# Altium PCB ZYNQ_JTY_16CH.PcbDoc (part 3 of 4)
Units mil, origin at the board's own origin, x right, y up, seen from the top; angles counter-clockwise.
Board outline 6456.69 x 4901.57 mil, 4 copper layers (Top1, GND2, PWR3, Bottom4), stack 22.378 mil thick; 525 components, 438 nets, 2202 pads, 1379 vias.
Unrouted connection lines stored in the file: 13.
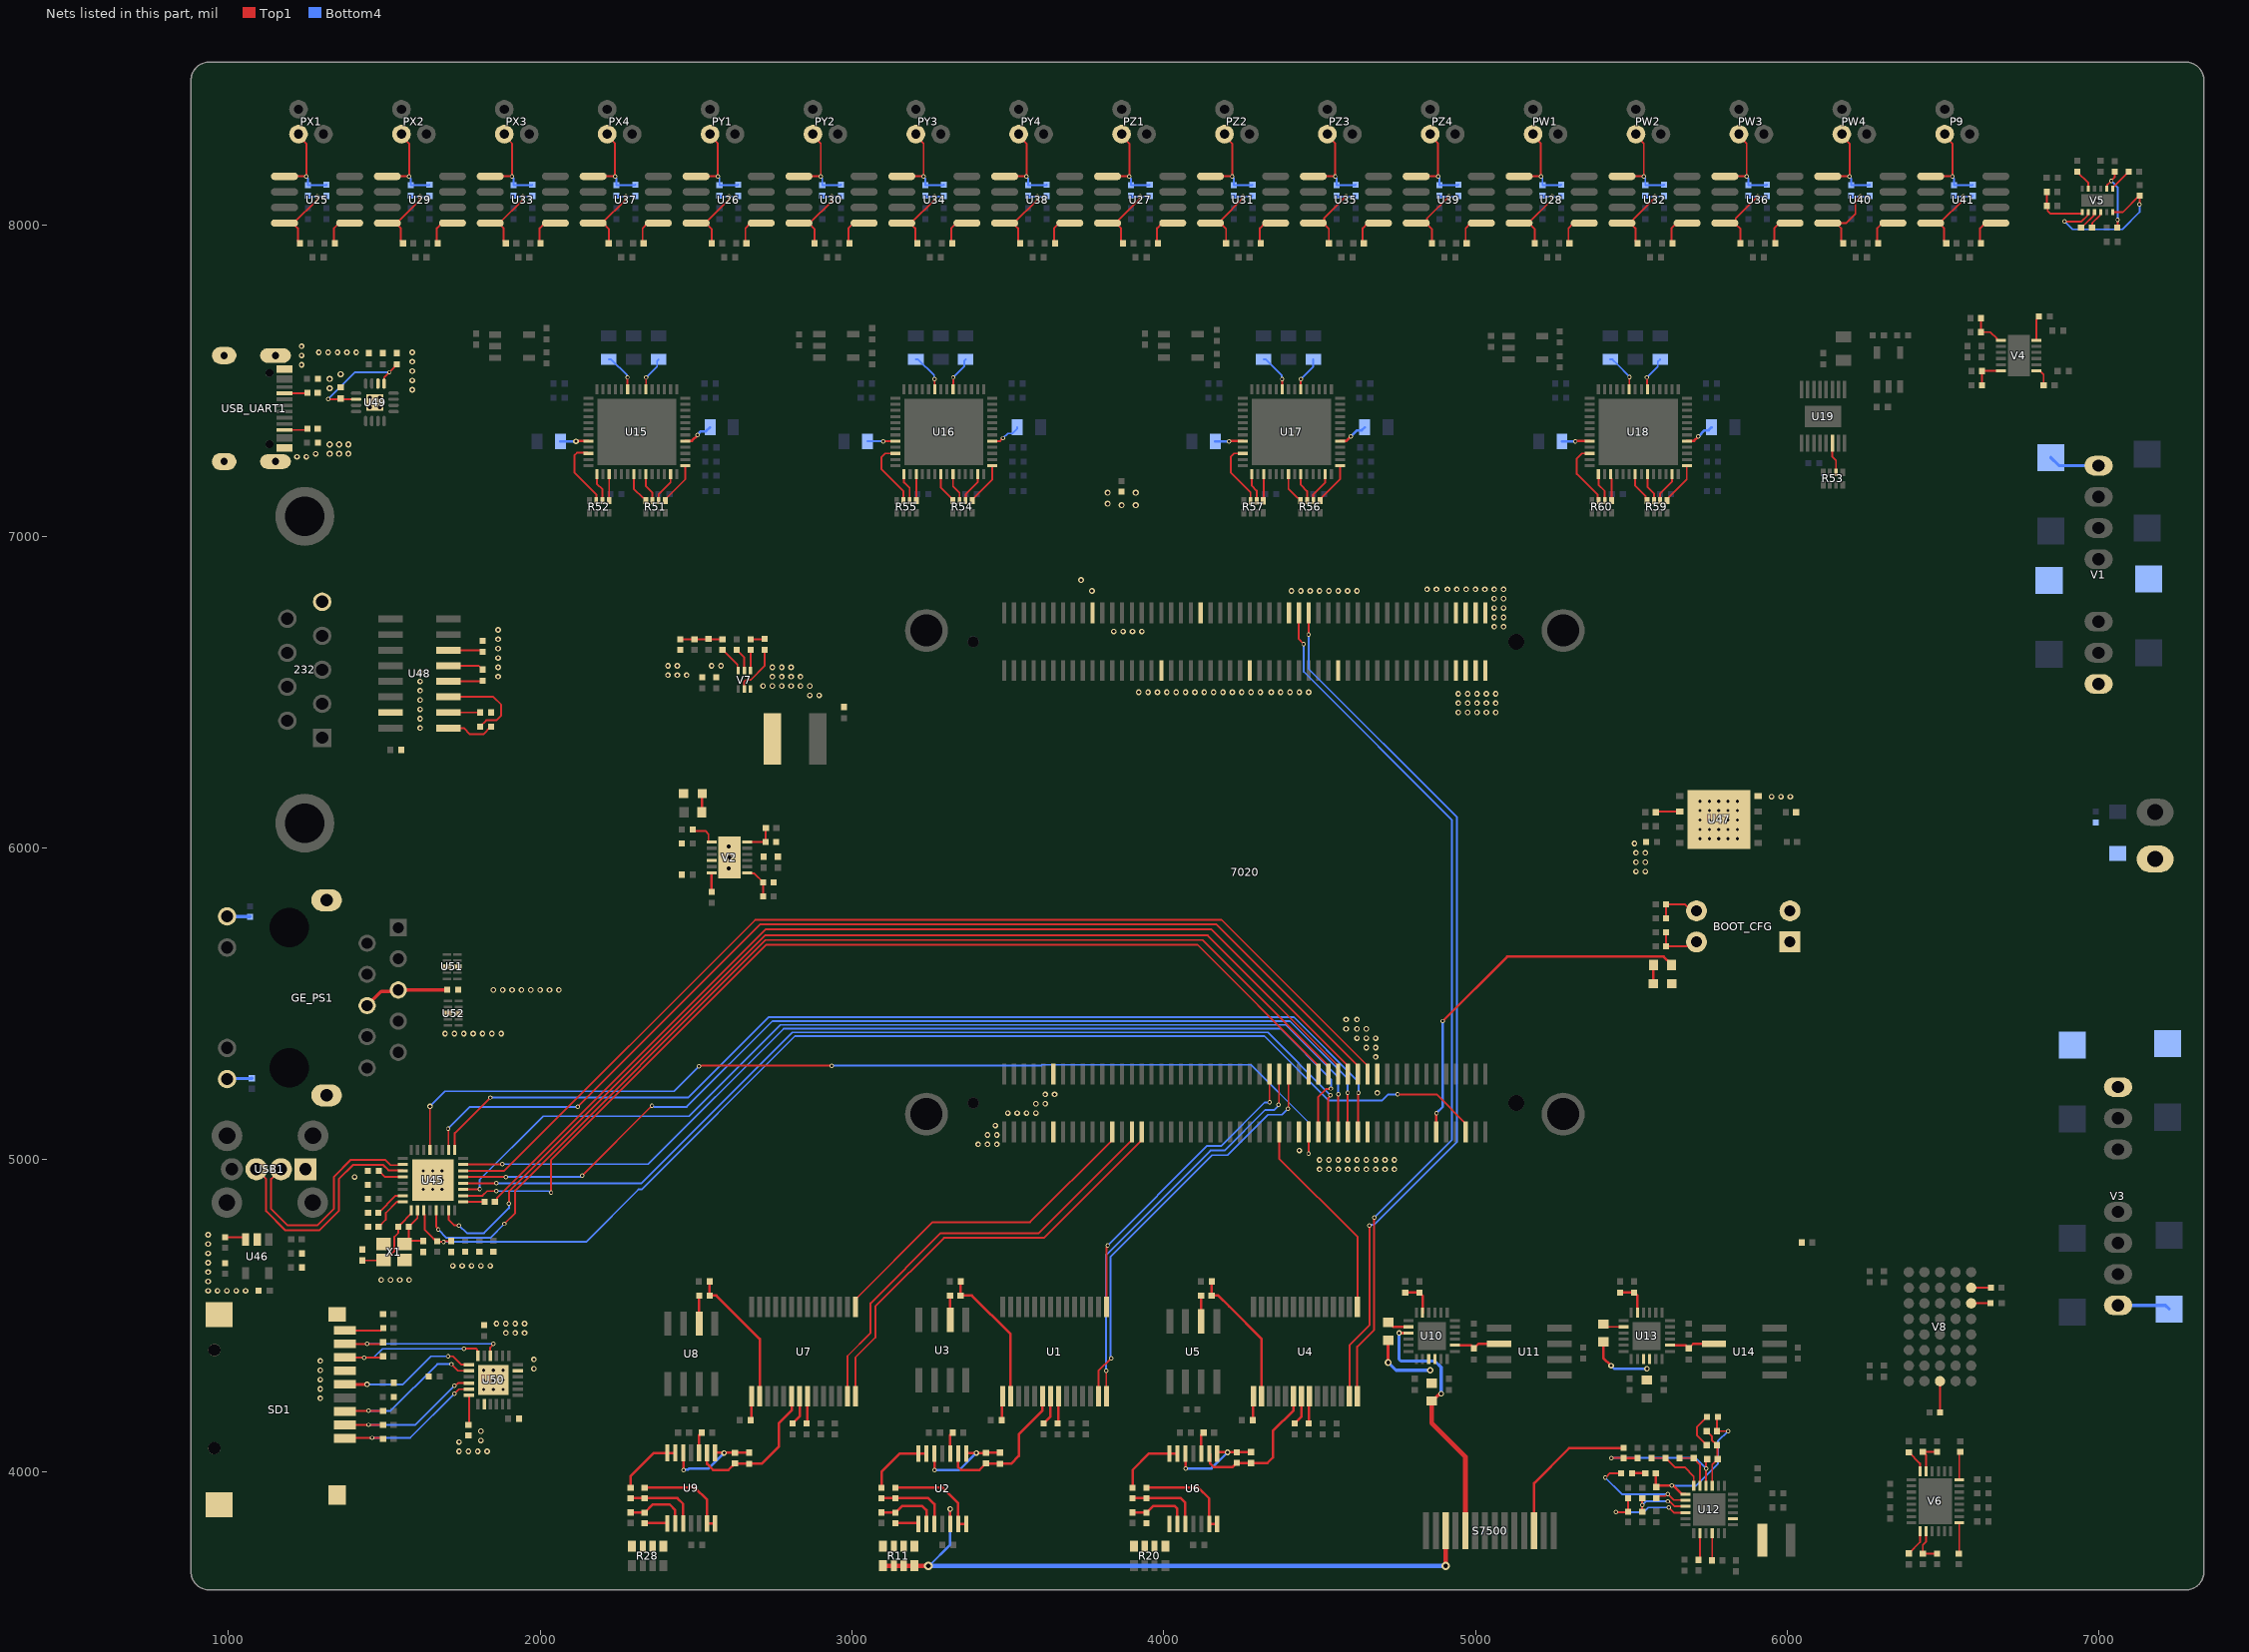
[diagram p5: the nets of this part, all layers, seen from the top]

## Via types
v1: diameter 18, hole 10, Top1 to Bottom4, tented both sides, 707 vias
v2: diameter 14, hole 8, Top1 to Bottom4, tented both sides, 314 vias
v3: diameter 22, hole 12, Top1 to Bottom4, tented both sides, 261 vias
v4: diameter 20, hole 11, Top1 to Bottom4, tented both sides, 40 vias
v5: diameter 26, hole 14, Top1 to Bottom4, tented both sides, 18 vias
v6: diameter 28, hole 15, Top1 to Bottom4, tented both sides, 14 vias
v7: diameter 24, hole 12, Top1 to Bottom4, tented both sides, 12 vias
v8: diameter 24, hole 10, Top1 to Bottom4, tented both sides, 9 vias
v9: diameter 20, hole 12, Top1 to Bottom4, tented both sides, 4 vias

## Nets (pads, with @x,y where several pads share a name; then routed paths per layer and width w, separated by ;. In a path a pad name is that pad's centre, name@x,y a point inside that pad or via, vN(x,y) a via of type N, cw(c..) or ccw(c..) an arc to the next point about the centre after c; other vN are vias at no path point) (continued)
DB13A: 7020.J2_55 U1.1 | length 999.5
  Top1 w6: U1.1@3816.4,4528 3816.4,4719.24 3820,4722.84 v2(3820,4725) ; 7020.J2_55@4338.98,5275 4339.49,5274.49 4339.49,5185.51 v2(4340,5185)
  Bottom4 w6: v2(3820,4725) 4140,5045 4185,5045 4324,5184 4339,5184 v2(4340,5185)
DB13B: 7020.J2_24 U7.1 | length 1086
  Top1 w6: U7.1@3011.4,4528 3011.4,4552 3259.4,4800 3571.65,4800 3835.04,5063.39 7020.J2_24@3835.04,5089.96
DB13C: 7020.J2_58 U4.1 | length 665.9
  Top1 w6: 7020.J2_58@4370.48,5089.96 4370.48,5004.52 4621.4,4753.6 U4.1@4621.4,4528
DB14A: 7020.J2_57 U1.28 | length 1307.4
  Top1 w6: v2(3815.29,4323.47) 3815.85,4322.91 3815.85,4242.55 U1.28@3816.4,4242 ; v2(4368.69,5176.31) 4369.58,5177.21 4369.58,5274.1 7020.J2_57@4370.48,5275
  Bottom4 w6: v2(3815.29,4323.47) 3815.29,4695.29 4150,5030 4195,5030 4325,5160 4355,5160 4359.24,5164.24 4359.24,5164.71 4368.69,5174.15 v2(4368.69,5176.31)
DB14B: 7020.J2_30 U7.28 | length 1416.4
  Top1 w6: U7.28@3011.4,4242 3011.4,4366.4 3075,4430 3075,4530 3295,4750 3616.15,4750 3929.53,5063.39 7020.J2_30@3929.53,5089.96
DB14C: 7020.J1_61 U4.28 | length 2842.6
  Top1 w6: 7020.J1_61@4433.47,6754.69 4433.47,6670.53 v2(4449,6655) ; U4.28@4621.4,4242 4620.7,4242.7 4620.7,4400.7 4675,4455 v2(4675,4815)
  Bottom4 w6: v2(4449,6655) 4449,6566 4925,6090 4925,5065 v2(4675,4815)
DB15A: 7020.J2_59 U1.27 | length 1342.8
  Top1 w6: U1.27@3790.8,4242 3790.8,4323.3 v2(3831.29,4363.79) ; v2(4398.69,5163.69) 4400,5165 4400,5273.03 7020.J2_59@4401.97,5275
  Bottom4 w6: v2(3831.29,4363.79) 3830.05,4365.02 3830.05,4690.05 4155,5015 4205,5015 4335,5145 4380,5145 v2(4398.69,5163.69)
DB15B: 7020.J2_28 U7.27 | length 1410.1
  Top1 w6: U7.27@2985.8,4242 2985.8,4370.8 3060,4445 3060,4540 3285,4765 3599.65,4765 3898.03,5063.39 7020.J2_28@3898.03,5089.96
DB15C: 7020.J1_63 U4.27 | length 2860.8
  Top1 w6: v2(4465,6685) 7020.J1_63@4464.96,6754.69 ; U4.27@4595.8,4242 4595.8,4405.8 4660,4470 4660,4789 v2(4659,4790)
  Bottom4 w6: v2(4465,6685) 4465,6575 4940,6100 4940,5057.37 4674.16,4791.53 4660.53,4791.53 v2(4659,4790)
FB-: R41.1 S7500.3 | length 486.7
  Top1 w8: S7500.3@5187.99,3810 5187.99,3962.99 5300,4075 R41.1@5475.27,4075
GAIN: R33.2 S7500.10 U10.3 | length 846.2
  Top1 w10: v1(4755,4445) 4755.16,4444.84 U10.3@4785.5,4444.84 ; R33.2@4860,4226.46 4861.97,4226.46 4883.98,4248.47 4888.47,4248.47 v1(4890,4250)
  Top1 w15: R33.2@4860,4226.46 4860,4155 4967.52,4047.48 S7500.10@4967.52,3810
  Bottom4 w10: v1(4755,4445) 4755,4360.86 4760.86,4355 4870,4355 4890,4335 v1(4890,4250)
GND: 232.5 7020.J1_19 7020.J1_34 7020.J1_41 7020.J1_52 7020.J1_59 7020.J1_70 7020.J1_93 7020.J1_94 7020.J1_95 7020.J1_96 7020.J1_97 7020.J1_98 7020.J1_99 7020.J1_100 7020.J2_11 7020.J2_12 7020.J2_62 7020.J2_63 7020.J2_76 7020.J2_77 BOOT_CFG.1 BOOT_CFG.2 C198.2 C199.2 C202.2 C203.2 C217.1 C219.1 C220.1 C231.1 C232.1 C233.1 C234.1 C235.1 C236.1 C237.1 C238.1 C239.1 C240.1 C241.1 C242.1 C243.2 C244.2 C246.2 C248.2 C249.1 C250.2 C251.1 C252.1 C253.2 C254.2 C255.2 C256.2 C257.2 C258.2 C259.2 C260.2 C261.1 DC_IN.2 E3.2 E4.2 E7.2 E8.2 E10.2 GE_PS1.15 GE_PS1.16 LED1.2 LED2.2 R14.2 R58.2 R114.1 R115.1 R130.1 R139.2 R143.1 R146.2 R149.2 R156.2 R157.1 R159.1 R160.2 SD1.0 SD1.6 U45.33 U46.2 U47.4 U47.9 U48.15 U49.0 U49.2 U50.2 U50.11 U50.25 U51.3 U51.8 U52.3 U52.8 USB1.1 USB_UART1.1 USB_UART1.12 USB_UART1.SH1 USB_UART1.SH2 USB_UART1.SH3 USB_UART1.SH4 V1.1 V2.4 V2.13 V3.1 V7.3 X1.2 X1.4
  other v1: 1740,4065 1770,4065 1800,4065 1830,4065 1740,4095 1810,4100 1810,4130 1295,4235 1295,4265 1295,4295 1295,4325 1980,4330 1295,4355 1980,4360 1890,4445 1920,4445 1950,4445 1860,4475 1890,4475 1920,4475 1950,4475 935,4580 965,4580 995,4580 1025,4580 1055,4580 935,4610 1490,4615 1520,4615 1550,4615 1580,4615 935,4640 1720,4660 1750,4660 1780,4660 1810,4660 1840,4660 935,4670 935,4700 935,4730 935,4760 1405,4945 4500,4970 4530,4970 4560,4970 4590,4970 4620,4970 4650,4970 4680,4970 4710,4970 4740,4970 4500,5000 4530,5000 4560,5000 4590,5000 4620,5000 4650,5000 4680,5000 4710,5000 4740,5000 4435,5030 3405,5050 3435,5050 3465,5050 3435,5080 3465,5080 3460,5110 3500,5150 3530,5150 3560,5150 3590,5150 3590,5180 3620,5180 3620,5210 3650,5210 4685,5215 4680,5330 4650,5360 4680,5360 4620,5390 4650,5390 4680,5390 1695,5405 1725,5405 1755,5405 1785,5405 1815,5405 1845,5405 1875,5405 4585,5420 4620,5420 4650,5420 4585,5450 4620,5450 1850,5545 1880,5545 1910,5545 1940,5545 1970,5545 2000,5545 2030,5545 2060,5545 5515,5925 5545,5925 5515,5955 5545,5955 5515,5985 5545,5985 5510,6015 5720,6030 5750,6030 5780,6030 5810,6030 5840,6030 5720,6060 5750,6060 5780,6060 5810,6060 5840,6060 5720,6090 5750,6090 5810,6090 5840,6090 5781,6092 5720,6120 5750,6120 5780,6120 5810,6120 5840,6120 5720,6150 5750,6150 5780,6150 5810,6150 5840,6150 5950,6165 5980,6165 6010,6165 1615,6385 1615,6415 4945,6435 4975,6435 5005,6435 5035,6435 5065,6435 1615,6445 4945,6465 4975,6465 5005,6465 5035,6465 5065,6465 1615,6475 2865,6490 2895,6490 4945,6495 4975,6495 5005,6495 5035,6495 5065,6495 3920,6500 3950,6500 3980,6500 4010,6500 4040,6500 4070,6500 4100,6500 4130,6500 4160,6500 4190,6500 4220,6500 4250,6500 4280,6500 4310,6500 4345,6500 4375,6500 4405,6500 4435,6500 4465,6500 1615,6505 2715,6520 2745,6520 2775,6520 2805,6520 2835,6520 2865,6520 1615,6535 1865,6550 2745,6550 2775,6550 2805,6550 2835,6550 2410,6555 2440,6555 2470,6555 1615,6565 1865,6580 2745,6580 2775,6580 2805,6580 2410,6585 2440,6585 2550,6585 2580,6585 1865,6610 1865,6640 1865,6670 3840,6695 3870,6695 3900,6695 3930,6695 1865,6700 5060,6710 5090,6710 5060,6740 5090,6740 5060,6770 5090,6770 5060,6800 5090,6800 4410,6825 4440,6825 4470,6825 4500,6825 4530,6825 4560,6825 4590,6825 4620,6825 4845,6830 4875,6830 4910,6830 4940,6830 4970,6830 5000,6830 5030,6830 5060,6830 5090,6830 1220,7255 1250,7255 1280,7265 1590,7470 1590,7500 1590,7530 1235,7550 1590,7560 1235,7580 1290,7590 1320,7590 1350,7590 1380,7590 1410,7590 1590,7590 1235,7610
  other v4: 3770,6825 3735,6860 3865,7100 3910,7100 3820,7105 3820,7140 3910,7140 1325,7265 1355,7265 1385,7265 1325,7295 1355,7295 1385,7295 1325,7475 1325,7505 1360,7520
  other v7: 2605,5935 2607.28,5970 2605,6005
  other v8: 1625,4905 1655,4905 1685,4905 1625,4935 1656.5,4935 1685,4935 1625,4965 1655,4965 1685,4965
  other v9: 1453.89,7414.19 1485.79,7414.19 1453.89,7445.63 1485.79,7445.63
LED: 7020.J2_90 R5.1 | length 1194.9
  Top1 w8: 7020.J2_90@4874.49,5089.96 4874.75,5090.21 4874.75,5149.75 v2(4875,5150) ; v2(4895,5445) 5101.73,5651.73 5603.78,5651.73 5628.54,5626.97 R5.1@5628.54,5625
  Bottom4 w8: v2(4875,5150) 4895,5170 v2(4895,5445)
LEFT: R11.1 R11.2 R11.3 R11.4 S7500.12 U2.12 | length 2176.9
  Top1 w8: v1(3315,3880) 3315.3,3879.7 3315.3,3832 U2.12@3315.59,3831.7
  Top1 w15: R11.1@3099.61,3698.5 3100.11,3698 3244.5,3698 v6(3245,3697.5) ; v6@4904.54,3697.51 S7500.12@4904.53,3810
  Bottom4 w8: v6(3245,3697.5) 3247.5,3697.5 3315,3765 v1(3315,3880)
  Bottom4 w15: v6@3247.5,3697.5 v6(4904.56,3697.5)
NetC1_1: C1.1 U1.15 | length 78.3
  Top1 w8: C1.1@3480.43,4165 3482.02,4166.58 3482.02,4240.42 U1.15@3483.6,4242
NetC2_1: C2.1 R7.1 U1.20 U2.2 | length 486.2
  Top1 w8: U2.2@3341.18,4058.3 3340,4057.12 3340,4015 3350,4005 3408.46,4005 R7.1@3430,4026.54 3430.56,4025.98 3474.44,4025.98 C2.1@3475,4025.42 3510.42,4025.42 3535,4050 3535,4120 3611.6,4196.6 U1.20@3611.6,4242
NetC2_2: C2.2 R7.2 U2.1 U2.5 | length 319.8
  Top1 w8: U2.5@3264.41,4058.3 3264.7,4058 3264.7,4005.3 v2(3265,4005) ; U2.1@3366.77,4058.3 3368.47,4060 v1(3399.24,4060) R7.2@3430,4060 3430.43,4060.43 3474.57,4060.43 C2.2@3475,4060.86
  Bottom4 w8: v2(3265,4005) 3344.24,4005 v1(3399.24,4060)
NetC3_1: C3.1 U1.21 | length 96.2
  Top1 w8: C3.1@3615,4155 3637.2,4177.2 U1.21@3637.2,4242
NetC4_1: C4.1 U1.22 | length 88.2
  Top1 w8: C4.1@3660,4155 3661.4,4156.4 3661.4,4240.6 U1.22@3662.8,4242
NetC8_2: C8.2 R8.2 U1.16 | length 456.3
  Top1 w8: C8.2@3349.32,4610 3348.89,4609.57 3348.89,4565.43 R8.2@3348.46,4565 3385,4565 3509.2,4440.8 U1.16@3509.2,4242
NetC11_1: C11.1 U4.15 | length 78.3
  Top1 w8: C11.1@4285.43,4165 4287.02,4166.58 4287.02,4240.42 U4.15@4288.6,4242
NetC12_1: C12.1 U4.21 | length 96.2
  Top1 w8: C12.1@4420,4155 4442.2,4177.2 U4.21@4442.2,4242
NetC13_1: C13.1 R16.1 U4.20 U6.2 | length 477
  Top1 w8: U6.2@4146.18,4058.3 4149.09,4055.39 4149.09,4025.91 4160,4015 4221.61,4015 R16.1@4235,4028.39 4235.56,4027.84 4279.44,4027.84 C13.1@4280,4027.28 4332.28,4027.28 4350,4045 4350,4130 4416.6,4196.6 U4.20@4416.6,4242
NetC13_2: C13.2 R16.2 U6.1 U6.5 | length 315.3
  Top1 w8: U6.5@4069.41,4058.3 4069.7,4058 4069.7,4010.3 v2(4070,4010) ; U6.1@4171.77,4058.3 4171.77,4058.95 4174.68,4061.86 v1(4204.84,4061.86) R16.2@4235,4061.86 4235.43,4062.29 4279.57,4062.29 C13.2@4280,4062.72
  Bottom4 w8: v2(4070,4010) 4152.98,4010 v1(4204.84,4061.86)
NetC14_1: C14.1 U4.22 | length 88.2
  Top1 w8: C14.1@4465,4155 4466.4,4156.4 4466.4,4240.6 U4.22@4467.8,4242
NetC18_2: C18.2 R17.2 U4.16 | length 447.5
  Top1 w8: C18.2@4154.32,4610 4153.89,4609.57 4153.89,4565.43 R17.2@4153.46,4565 4175,4565 4210,4530 4314.2,4425.8 U4.16@4314.2,4242
NetC21_1: C21.1 U7.15 | length 78.3
  Top1 w8: C21.1@2675.43,4165 2677.02,4166.58 2677.02,4240.42 U7.15@2678.6,4242
NetC22_1: C22.1 U7.21 | length 96.2
  Top1 w8: C22.1@2810,4155 2832.2,4177.2 U7.21@2832.2,4242
NetC23_1: C23.1 U7.22 | length 88.2
  Top1 w8: C23.1@2855,4155 2856.4,4156.4 2856.4,4240.6 U7.22@2857.8,4242
NetC24_1: C24.1 R24.1 U7.20 U9.2 | length 484.2
  Top1 w8: U9.2@2535.59,4060 2535.59,4024.41 2555,4005 2603.46,4005 R24.1@2625,4026.54 2625.49,4026.04 2669.51,4026.04 C24.1@2670,4025.55 2710.55,4025.55 2765,4080 2765,4155 2806.6,4196.6 U7.20@2806.6,4242
NetC24_2: C24.2 R24.2 U9.1 U9.5 | length 317.5
  Top1 w8: U9.5@2458.82,4060 2459.41,4059.41 2459.41,4005.59 v2(2460,4005) ; U9.1@2561.18,4060 2562.16,4060.98 C24.2@2670,4060.98
  Bottom4 w8: v2(2460,4005) 2461.15,4006.15 2474.28,4006.15 2477.13,4009 2539,4009 v1(2590,4060)
NetC28_2: C28.2 R25.2 U7.16 | length 447.5
  Top1 w8: C28.2@2544.32,4610 2543.89,4609.57 2543.89,4565.43 R25.2@2543.46,4565 2565,4565 2704.2,4425.8 U7.16@2704.2,4242
NetC31_1: C31.1 L1.2 U10.23 | length 114.4
  Top1 w8: C31.1@4775,4574.57 L1.2@4820,4574.57 4830.47,4564.09 U10.23@4830.47,4509.5
NetC32_1: C32.1 C33.2 R37.2 R38.1 U12.1 | length 527.6
  Top1 w6: C33.2@5777.72,4175 5775,4172.28 R38.1@5775,4130 v2(5810,4130)
  Top1 w8: R37.2@5578.46,3995 5579.23,3994.23 5579.23,3951.2 C32.1@5580,3950.43 5584.57,3955 v2(5630,3955) 5634.74,3955 5662.03,3927.71 U12.1@5673.03,3927.71
  Bottom4 w6: v2(5630,3955) 5707.63,3955 5777.55,4024.92 5777.55,4097.55 v2(5810,4130)
NetC32_2: C32.2 C37.2 U12.2 | length 391.2
  Top1 w6: v2(5415.99,3981.29) 5418.15,3981.29 5431.87,3995 C37.2@5471.54,3995 ; C32.2@5580,3915 5586.84,3921.84 5609.4,3921.84 5615.19,3927.64 v2(5617.36,3927.64) 5636.23,3908.77 5672.29,3908.77 U12.2@5673.03,3908.03
  Bottom4 w6: v2(5415.99,3981.29) 5469.63,3927.64 v2(5617.36,3927.64)
NetC33_1: C33.1 R35.1 | length 116.4
  Top1 w6: R35.1@5741.54,4085 5710,4116.54 5710,4142.72 C33.1@5742.28,4175
NetC37_1: C37.1 R37.1 | length 42.3
  Top1 w8: C37.1@5502.72,3995 R37.1@5545,3995
NetC39_2: C39.2 U10.14 U11.6 | length 151.7
  Top1 w8: U10.14@4934.5,4405.47 4984.96,4405.47 C39.2@4995,4395.43 5009.57,4410 U11.6@5076,4410
NetC42_1: C42.1 L2.2 U13.23 | length 114.4
  Top1 w8: C42.1@5464,4574.57 L2.2@5509,4574.57 5519.47,4564.09 U13.23@5519.47,4509.5
NetC50_2: C50.2 U13.14 U14.6 | length 151.7
  Top1 w8: U13.14@5623.5,4405.47 5673.96,4405.47 C50.2@5684,4395.43 5698.57,4410 U14.6@5765,4410
NetC52_1: C52.1 U15.22 | length 89.7
  Top1 w8: v1(2115,7305) 2115.24,7305.24 2154.26,7305.24 U15.22@2154.5,7305.47
  Bottom4 w8: C52.1@2065,7305 v1(2115,7305)
NetC53_1: C53.1 U15.9 | length 126
  Top1 w6: v2(2280,7510) 2280.24,7509.76 2280.24,7471.24 U15.9@2280.47,7471
  Bottom4 w6: C53.1@2220,7567.6 2227.5,7567.6 2278.47,7516.62 2278.47,7511.53 v2(2280,7510)
NetC54_1: C54.1 U15.6 | length 113.4
  Top1 w6: U15.6@2339.53,7471 2339.76,7471.24 2339.76,7509.76 v2(2340,7510)
  Bottom4 w6: v2(2340,7510) 2375,7545 2375,7562.6 C54.1@2380,7567.6
NetC55_1: C55.1 U15.45 | length 98.9
  Top1 w8: U15.45@2465.5,7305.47 2466.5,7306.47 2486.47,7306.47 v2(2505,7325)
  Bottom4 w8: v2(2505,7325) 2505,7326.62 2515,7336.62 2531.62,7336.62 C55.1@2545,7350
NetC60_1: C60.1 U16.22 | length 89.7
  Top1 w6: v2(3100,7305) 3100.24,7305.24 3139.26,7305.24 U16.22@3139.5,7305.47
  Bottom4 w6: C60.1@3050,7305 v2(3100,7305)
NetC61_1: C61.1 U16.9 | length 126
  Top1 w6: v2(3265,7505) 3265.24,7504.76 3265.24,7471.24 U16.9@3265.47,7471
  Bottom4 w6: C61.1@3205,7567.6 3212.5,7567.6 3263.47,7516.62 3263.47,7506.53 v2(3265,7505)
NetC62_1: C62.1 U16.6 | length 113.4
  Top1 w6: U16.6@3324.53,7471 3324.76,7471.24 3324.76,7509.76 v2(3325,7510)
  Bottom4 w6: v2(3325,7510) 3360,7545 3360,7562.6 C62.1@3365,7567.6
NetC63_1: C63.1 U16.45 | length 101.2
  Top1 w6: U16.45@3450.5,7305.47 3475.47,7305.47 v2(3485,7315)
  Bottom4 w6: v2(3485,7315) 3500,7330 3515.5,7330 3530,7344.5 C63.1@3530,7350
NetC89_1: C89.1 U17.22 | length 89.7
  Top1 w8: v2(4210,7305) 4210.24,7305.24 4254.26,7305.24 U17.22@4254.5,7305.47
  Bottom4 w8: C89.1@4165,7305 v2(4210,7305)
NetC90_1: C90.1 U17.9 | length 126
  Top1 w6: v2(4380,7505) 4380.24,7504.76 4380.24,7471.24 U17.9@4380.47,7471
  Bottom4 w6: C90.1@4320,7567.6 4327.5,7567.6 4378.47,7516.62 4378.47,7506.53 v2(4380,7505)
NetC91_1: C91.1 U17.6 | length 113.4
  Top1 w6: U17.6@4439.53,7471 4439.76,7471.24 4439.76,7504.76 v2(4440,7505)
  Bottom4 w6: v2(4440,7505) 4479.61,7544.61 4479.61,7567.21 C91.1@4480,7567.6
NetC92_1: C92.1 U17.45 | length 97.9
  Top1 w8: U17.45@4565.5,7305.47 4566.5,7306.47 4586.47,7306.47 v2(4600,7320)
  Bottom4 w8: v2(4600,7320) 4620,7340 4635,7340 C92.1@4645,7350
NetC123_1: C123.1 U18.22 | length 89.7
  Top1 w8: v2(5320,7305) 5320.23,7305.23 5366.67,7305.23 U18.22@5366.9,7305.47
  Bottom4 w8: C123.1@5277.4,7305 v2(5320,7305)
NetC124_1: C124.1 U18.9 | length 127.2
  Top1 w6: U18.9@5492.88,7471 5493.56,7471.68 5493.56,7510.09 v2(5494.23,7510.77)
  Bottom4 w6: C124.1@5432.4,7567.59 5439.9,7567.59 5454.4,7553.09 5492.7,7514.79 5492.7,7512.3 v2(5494.23,7510.77)
NetC127_1: C127.1 U18.6 | length 115
  Top1 w6: v2(5550,7510) 5550.97,7509.03 5550.97,7471.96 U18.6@5551.93,7471
  Bottom4 w6: v2(5550,7510) 5585,7545 5585,7560.19 C127.1@5592.4,7567.59
NetC128_1: C128.1 U18.45 | length 97.9
  Top1 w8: U18.45@5677.9,7305.47 5678.9,7306.47 5701.47,7306.47 v2(5715,7320)
  Bottom4 w8: v2(5715,7320) 5735,7340 5747.41,7340 C128.1@5757.4,7350
NetC130_1: C130.1 PX1.2 R61.1 U25.1 | length 306.1
  Top1 w6: U25.1@1180,8155 v2(1250,8155) 1250,8259.85 1225,8284.85 PX1.2@1225,8290
  Bottom4 w6: v2(1250,8155) 1250,8152.84 1255,8147.84 R61.1@1255,8126.73 1314.02,8126.73 C130.1@1315,8127.72
NetC130_2: C130.2 R61.2 R65.1 U25.4 | length 283
  Top1 w6: U25.4@1180,8005 U25.4@1206.73,8005 ; R65.1@1230,7940 1223.16,7946.84 1223.16,7988.57 U25.4@1206.73,8005 ; v2(1285,8090) 1284.69,8089.69 1284.69,8079.69 1210,8005 U25.4@1206.73,8005
  Bottom4 w6: R61.2@1255,8093.27 1258.27,8090 v2(1285,8090) 1312.72,8090 C130.2@1315,8092.28
NetC131_1: C131.1 PY1.2 R62.1 U26.1 | length 306.1
  Top1 w6: U26.1@2500,8155 v2(2570,8155) 2570,8259.85 2545,8284.85 PY1.2@2545,8290
  Bottom4 w6: v2(2570,8155) 2570,8152.84 2575,8147.84 R62.1@2575,8126.73 2634.01,8126.73 C131.1@2635,8127.72
NetC131_2: C131.2 R62.2 R66.1 U26.4 | length 252.5
  Top1 w6: R66.1@2550,7940 2550,7986.5 2531.5,8005 2530,8005 2604.69,8079.69 2604.69,8089.69 v2(2605,8090)
  Bottom4 w6: R62.2@2575,8093.27 2578.27,8090 v2(2605,8090) 2632.72,8090 C131.2@2635,8092.28
NetC132_1: C132.1 PZ1.2 R63.1 U27.1 | length 306.1
  Top1 w6: U27.1@3820,8155 v2(3890,8155) 3890,8259.85 3865,8284.85 PZ1.2@3865,8290
  Bottom4 w6: v2(3890,8155) 3890,8152.84 3895,8147.84 R63.1@3895,8126.73 3954.01,8126.73 C132.1@3955,8127.72
NetC132_2: C132.2 R63.2 R67.1 U27.4 | length 281.1
  Top1 w6: U27.4@3820,8005 U27.4@3846.73,8005 ; R67.1@3870,7940 3863.16,7946.84 3863.16,7988.57 U27.4@3846.73,8005 ; v2(3925,8090) 3923.47,8088.47 3923.47,8081.74 U27.4@3846.73,8005
  Bottom4 w6: R63.2@3895,8093.27 3898.27,8090 v2(3925,8090) 3952.72,8090 C132.2@3955,8092.28
NetC133_1: C133.1 PW1.2 R64.1 U28.1 | length 306.1
  Top1 w6: U28.1@5140,8155 v2(5210,8155) 5210,8259.85 5185,8284.85 PW1.2@5185,8290
  Bottom4 w6: v2(5210,8155) 5210,8152.84 5215,8147.84 R64.1@5215,8126.73 5274.02,8126.73 C133.1@5275,8127.72
NetC133_2: C133.2 R64.2 R68.1 U28.4 | length 312.5
  Top1 w6: R68.1@5190,7940 5190,7986.5 5171.5,8005 U28.4@5140,8005 5170,8005 5244.69,8079.69 5244.69,8089.69 v2(5245,8090)
  Bottom4 w6: R64.2@5215,8093.27 5218.27,8090 v2(5245,8090) 5272.72,8090 C133.2@5275,8092.28
NetC146_1: C146.1 PX2.2 R73.1 U29.1 | length 306.1
  Top1 w6: U29.1@1510,8155 v2(1580,8155) 1580,8259.85 1555,8284.85 PX2.2@1555,8290
  Bottom4 w6: v2(1580,8155) 1580,8152.84 1585,8147.84 R73.1@1585,8126.73 1644.02,8126.73 C146.1@1645,8127.72
NetC146_2: C146.2 R73.2 R77.1 U29.4 | length 283.9
  Top1 w6: U29.4@1510,8005 U29.4@1536.73,8005 ; R77.1@1560,7940 1553.16,7946.84 1553.16,7988.57 U29.4@1536.73,8005 ; v2(1615,8090) 1613.47,8088.47 1613.47,8076.97 1541.5,8005 U29.4@1536.73,8005
  Bottom4 w6: R73.2@1585,8093.27 1588.27,8090 v2(1615,8090) 1642.72,8090 C146.2@1645,8092.28
NetC147_1: C147.1 PY2.2 R74.1 U30.1 | length 306.1
  Top1 w6: U30.1@2830,8155 v2(2900,8155) 2900,8259.85 2875,8284.85 PY2.2@2875,8290
  Bottom4 w6: v2(2900,8155) 2900,8152.84 2905,8147.84 R74.1@2905,8126.73 2964.01,8126.73 C147.1@2965,8127.72
NetC147_2: C147.2 R74.2 R78.1 U30.4 | length 259
  Top1 w6: U30.4@2855,8005 U30.4@2861.5,8005 ; R78.1@2880,7940 2880,7986.5 U30.4@2861.5,8005 ; v2(2935,8090) 2935,8075 2865,8005 U30.4@2861.5,8005
  Bottom4 w6: R74.2@2905,8093.27 2908.27,8090 v2(2935,8090) 2962.72,8090 C147.2@2965,8092.28
NetC148_1: C148.1 PZ2.2 R75.1 U31.1 | length 306.1
  Top1 w6: U31.1@4150,8155 v2(4220,8155) 4220,8259.85 4195,8284.85 PZ2.2@4195,8290
  Bottom4 w6: v2(4220,8155) 4220,8152.84 4225,8147.84 R75.1@4225,8126.73 4284.02,8126.73 C148.1@4285,8127.72
NetC148_2: C148.2 R75.2 R79.1 U31.4 | length 277.7
  Top1 w6: U31.4@4150,8005 4176.73,8005 4186.96,8015.24 4186.96,8016.96 4253.47,8083.47 4253.47,8088.47 v2(4255,8090) ; U31.4@4185,8005 4185,8001.5 4200,7986.5 R79.1@4200,7940
  Bottom4 w6: R75.2@4225,8093.27 4228.27,8090 v2(4255,8090) 4282.72,8090 C148.2@4285,8092.28
NetC149_1: C149.1 PW2.2 R76.1 U32.1 | length 306.1
  Top1 w6: U32.1@5470,8155 v2(5540,8155) 5540,8259.85 5515,8284.85 PW2.2@5515,8290
  Bottom4 w6: v2(5540,8155) 5540,8152.84 5545,8147.84 R76.1@5545,8126.73 5604.02,8126.73 C149.1@5605,8127.72
NetC149_2: C149.2 R76.2 R80.1 U32.4 | length 308.8
  Top1 w6: U32.4@5498.36,8003.36 5513.16,7988.57 5513.16,7946.84 R80.1@5520,7940 ; U32.4@5500,8005 U32.4@5496.73,8005 ; v2(5575,8090) 5573.47,8088.47 5573.47,8083.47 5506.96,8016.96 5506.96,8015.24 U32.4@5496.73,8005 ; U32.4@5496.73,8005 U32.4@5470,8005 U32.4@5496.73,8005
  Bottom4 w6: R76.2@5545,8093.27 5548.27,8090 v2(5575,8090) 5602.72,8090 C149.2@5605,8092.28
NetC162_1: C162.1 PX3.2 R85.1 U33.1 | length 306.1
  Top1 w6: U33.1@1840,8155 v2(1910,8155) 1910,8259.85 1885,8284.85 PX3.2@1885,8290
  Bottom4 w6: v2(1910,8155) 1910,8152.84 1915,8147.84 R85.1@1915,8126.73 1974.02,8126.73 C162.1@1975,8127.72
NetC162_2: C162.2 R85.2 R89.1 U33.4 | length 283
  Top1 w6: U33.4@1840,8005 U33.4@1866.73,8005 ; R89.1@1890,7940 1883.16,7946.84 1883.16,7988.57 U33.4@1866.73,8005 ; v2(1945,8090) 1944.69,8089.69 1944.69,8079.69 1870,8005 U33.4@1866.73,8005
  Bottom4 w6: R85.2@1915,8093.27 1918.27,8090 v2(1945,8090) 1972.72,8090 C162.2@1975,8092.28
NetC163_1: C163.1 PY3.2 R86.1 U34.1 | length 306.1
  Top1 w6: U34.1@3160,8155 v2(3230,8155) 3230,8259.85 3205,8284.85 PY3.2@3205,8290
  Bottom4 w6: v2(3230,8155) 3230,8152.84 3235,8147.84 R86.1@3235,8126.73 3294.02,8126.73 C163.1@3295,8127.72